# Allegro board BRD-05058-03_A1.brd (continued)
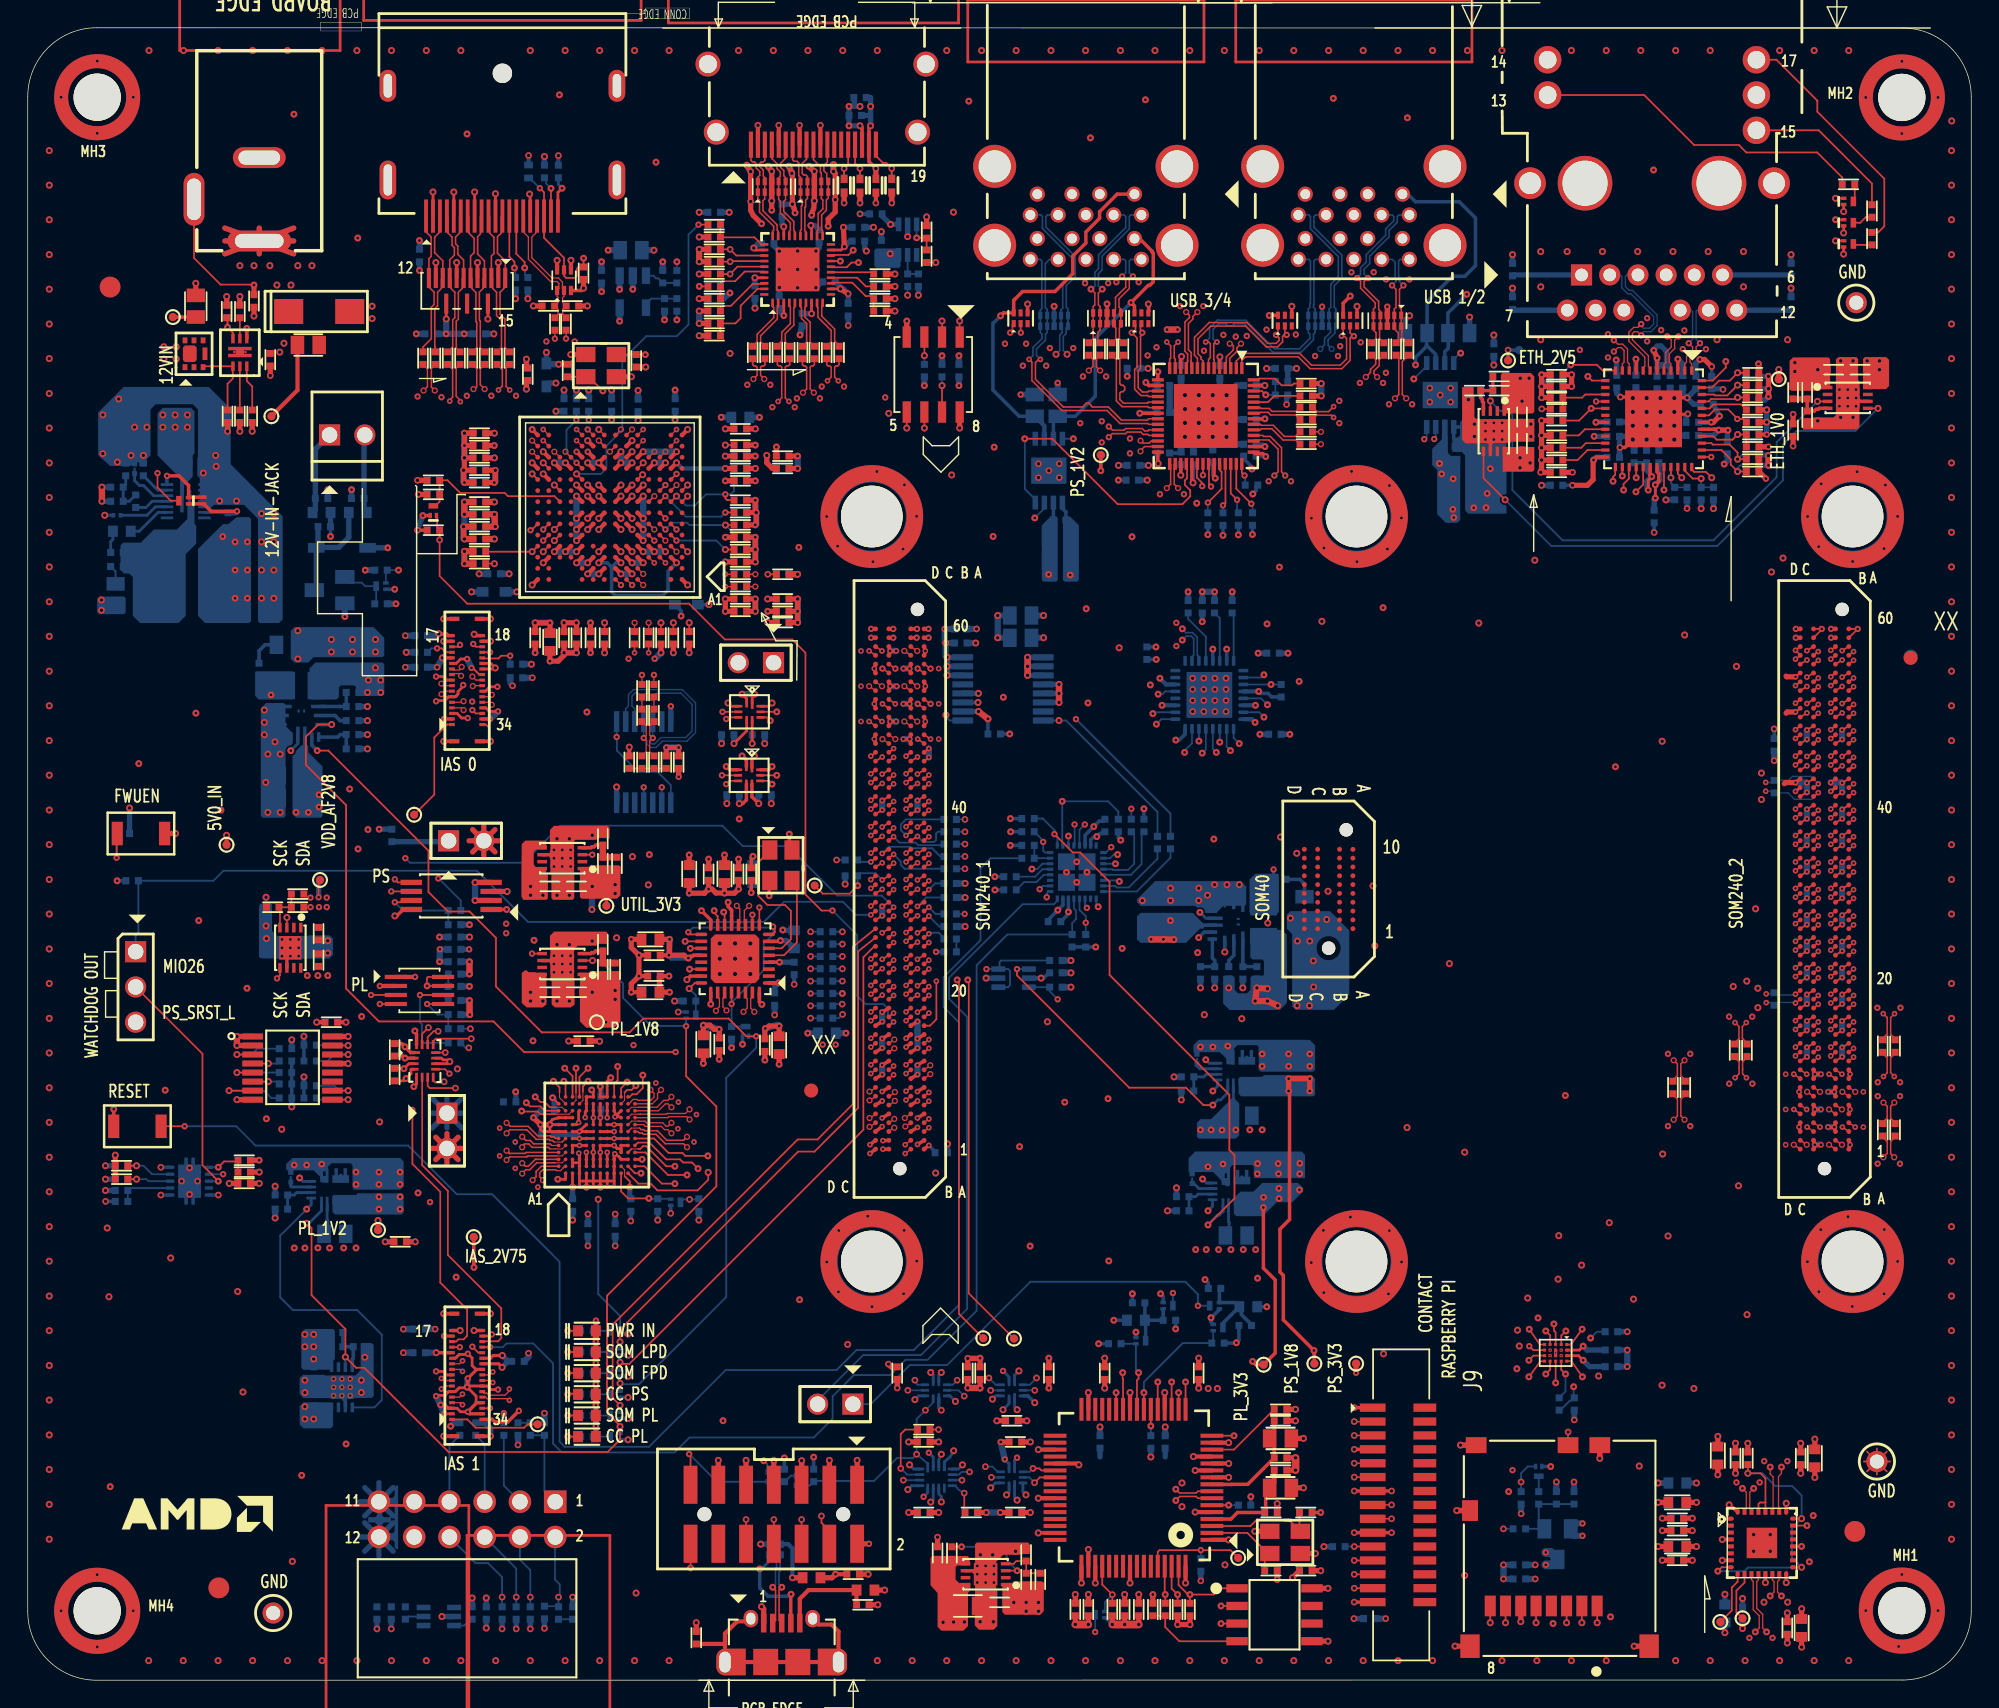
[diagram p0: board, top side]
## Routing (per net, layer and track width the routed paths; a pad name or vN(x,y) marks a point on that pad's centre or on a via; arc(x,y) is an arc through that point) (continued)
VCC_BATT: length 1.2
  TOP w0.254: JA1.A1 v3(64.91,38.52)
  BOTTOM w0.254: v3(64.91,38.52) 65.36,38.07 R44.1
VCCOEN_PL_M2C: length 158.2
  TOP w0.127: U9.5 v1(36.32,52.33)
  TOP w0.132: JA1.A20 v3(64.09,50.01) ; U73.5 18.17,50.75 v1(17.95,50.54)
  L03_SIG w0.102: v1(36.32,52.33) 35.74,51.74 35.74,43.88 37.18,42.43 37.18,41.54 38.28,40.45 38.28,37.65 39.67,36.26 39.67,35.29 37.22,32.84 30.57,32.84 v1(28.98,34.43) ; v3(64.09,50.01) 63.53,50.57 60.52,50.57 59.61,49.65 59.61,46.03 58.68,45.1 52.9,45.1 52.12,44.32 49.42,44.32 48.81,44.93 47.69,44.93 46.89,45.73 v1(43.64,45.73)
  L12_SIG w0.102: v1(43.64,45.73) 43.64,46.42 41.71,48.35 40.61,48.35 39.12,49.84 38.02,49.84 36.32,51.54 v1(36.32,52.33) ; v1(17.95,50.54) 15.16,50.54 12.75,48.13 12.75,41.42 13.18,40.99 13.18,35.81 13.63,35.36 14.19,35.36 15.16,34.39 19.38,34.39 19.84,33.92 v5(20.09,33.92) 23.95,33.92 24.38,34.36 27.57,34.36 27.65,34.43 v1(28.98,34.43) ; v3(64.09,50.01) 64.54,49.56 64.54,49.16 64.76,48.94 68.33,48.94 83.48,33.8 85.01,33.8 v5(85.02,33.81)
  BOTTOM w0.132: v5(20.09,33.92) 18.18,32.02 18.18,27.57 19.1,26.66 23.73,26.66 25.5,24.88 25.5,20.18 24.97,19.65 U8.5
  BOTTOM w0.203: v5(85.02,33.81) 85.35,34.13 U4.9 ; v5(20.09,33.92) 20.42,34.25 U5.9
VCCOEN_PS_M2C: length 107.7
  TOP w0.132: JA1.A19 v3(64.91,49.95) ; v1(46.67,45.24) 35.75,45.24 33.55,47.44 25.29,47.44 22.93,49.81 22.93,63.01 20.04,65.91 20.04,67.94 20.92,68.82 v6(21.89,68.82)
  L03_SIG w0.102: v1(46.67,45.24) 47.89,44.02 53.17,44.02 54.02,44.87 58.78,44.87 59.88,45.97 59.88,48.42 60.35,48.89 64.26,48.89 64.46,49.09 64.46,49.5 v3(64.91,49.95)
  L12_SIG w0.102: v3(64.91,49.95) 69.27,49.95 70.94,48.28 82.07,48.28 v6(86.23,52.44) 86.93,51.75 86.93,45.26 85.37,43.7 v5(85.37,42.43)
  BOTTOM w0.203: U3.9 85.7,42.76 v5(85.37,42.43)
  BOTTOM w0.254: U1.12 86.23,53.22 86.23,52.45 v6(86.23,52.44) ; U2.12 v6(21.89,68.82)
VDD_AF2V8: length 24.7
  TOP w0.127: v1(20.95,56.38) 20.95,57.53 TP56.1
  L05_SIG w0.381: J18.1 31.38,60.45 ; J18.1 30.31,59.38 ; J18.1 29.51,59.65 ; J18.1 29.51,61.26 ; J18.1 31.12,61.26 ; J18.1 31.12,59.65 ; J18.1 29.25,60.45
  BOTTOM w0.381: J19.1 31.26,40.84 ; J19.1 31.26,41.9 ; J19.1 29.13,39.77 ; J19.1 31.26,39.77 ; J19.1 30.2,41.9 ; J19.1 29.13,40.84 ; J19.1 30.2,39.77 ; J19.1 29.13,41.9 ; C384.1 30.25,60.38 J18.1 ; v1(20.95,56.38) 20.95,57.53 TP56.1
  vias: v1(20.37,56.36) v1(20.37,55.67) v1(20.98,55.67) v1(21.54,56.36) v1(21.54,55.67) v1(34.46,54.48) v1(34.46,53.79)
VDD_AF2V8_J7: length 9.3
  TOP w0.127: J7.34 33,68.82 33.14,68.68
  TOP w0.381: J18.2 32.85,61.52 ; J18.2 33.66,59.65 ; J18.2 32.05,61.26 ; J18.2 32.85,59.38 ; J18.2 33.66,61.26 ; J18.2 33.92,60.45 ; J18.2 31.79,60.45 ; J18.2 32.05,59.65
VDD_AF2V8_J8: length 11.9
  TOP w0.127: v1(35.38,19.4) 35.38,19.38
  TOP w0.254: J8.34 33.46,18.79 33.64,18.61 34.58,18.61 v1(35.38,19.4)
  TOP w0.381: J19.2 31,37.49 ; J19.2 29.13,38.3 ; J19.2 30.2,39.36 ; J19.2 29.39,39.1 ; J19.2 30.2,37.23 ; J19.2 29.39,37.49 ; J19.2 31,39.1 ; J19.2 31.26,38.3
AF_2V8_FB: length 3.3
  TOP w0.127: R292.2 C385.2 R290.1 18.17,55.6 U73.4
AP1302_GPIO2_NC: length 2.6
  TOP w0.127: U34.A10 37.24,41.01 36.93,41.32 36.18,41.32 v5(35.92,41.59)
AP1302_GPIO3_NC: length 5.4
  TOP w0.127: v5(48.28,36.84) 47.85,37.28 47.21,37.28 46.99,37.51 45.99,37.51 44.79,38.72 43.95,38.72 U34.M5
AP1302_GPIO4_NC: length 5.8
  TOP w0.127: v5(48.99,37.76) 47.37,37.76 47.16,37.97 46.16,37.97 45.12,39.01 U34.M6
AP1302_GPIO5_NC: length 4.4
  TOP w0.127: v5(47.49,36.39) 46.12,36.39 44.49,38.01 U34.M4
AP1302_GPIO6_NC: length 4.2
  TOP w0.076: 43.49,38.26 43.98,38.26
  TOP w0.127: 43.98,38.26 44.12,38.26 44.31,38.46 44.55,38.46 45.99,37.01 v5(46.62,37.01) ; U34.L4 43.49,38.26
AP1302_GPIO7_NC: length 1.2
  TOP w0.127: U34.B12 38.74,43.01 v5(38.62,43.14)
AP1302_GPIO8_NC: length 2.3
  TOP w0.127: v5(44.31,43.57) 44.31,42.64 43.86,42.2 43.56,42.2 43.37,42.01 U34.L12
AP1302_GPIO9_NC: length 1.2
  TOP w0.127: v5(43.18,43.07) 42.74,42.64 U34.K12
AP1302_GPIO10_NC: length 2.3
  TOP w0.127: v5(42.49,44.2) 42.49,43.2 42.24,42.95 U34.J12
AP1302_STANDBY_LS: length 5.1
  TOP w0.127: U34.K1 42.74,35.2 43.24,34.7 v5(44.74,34.7)
  BOTTOM w0.127: Q1.2 46.29,34.67 R91.2 44.77,34.67 v5(44.74,34.7)
CC_PL_PGOOD: length 191.7
  TOP w0.132: U9.3 v6(40.69,51.83) ; U73.3 v6(18.67,54.93) ; v1(47.43,47.1) 47.43,43.5 49.6,41.32 49.6,35.57 41.73,27.69 41.73,19.27 42.67,18.33 v6(42.67,18.27) 42.67,17.33 41.78,16.44 30.31,16.44 24.25,22.5 23.66,22.5 v6(22.88,23.28) 22.88,25.29 20.44,27.73 20.44,32.55 v5(20.09,32.91) ; v1(73.96,60.93) 75.28,59.61 75.82,59.61 77.93,57.5 77.93,50.79 86.56,42.16 86.56,38.18 86.93,37.81 86.93,34.7 v5(85.02,32.79)
  L03_SIG w0.102: v1(47.43,47.1) 48.07,46.45 50.15,46.45 50.58,46.88 52.61,46.88 53.01,46.48 54.89,46.48 55.5,47.09 57.25,47.09 58.07,47.91 58.07,54.1 60.53,56.56 65.87,56.56 66.27,56.96 67.85,56.96 69.15,58.26 70,58.26 71.93,60.19 71.93,60.62 72.22,60.9 73.94,60.9 v1(73.96,60.93)
  L12_SIG w0.102: v6(18.67,54.93) 18.66,54.94 16.99,54.94 12.34,50.29 12.34,36.65 11.82,36.12 11.82,35.52 13.43,33.9 18.46,33.9 19.46,32.91 v5(20.09,32.91)
  BOTTOM w0.132: Q16.1 v1(47.43,47.1) 47.41,47.11 44.89,47.11 42.89,49.12 42.89,50.17 41.23,51.83 v6(40.69,51.83) ; U19.25 74.17,60.12 74.17,60.73 73.96,60.93 v1(73.96,60.93) 73.96,60.93 73.96,61.21 73.12,62.05 R7.2 ; U8.3 v6(22.88,23.28) ; Q10.1 v6(42.67,18.27)
  BOTTOM w0.203: U4.8 86.1,33.75 85.84,33.49 85.72,33.49 v5(85.02,32.79) ; v5(20.09,32.91) 20.26,32.91 21.17,33.82 U5.8
CC_PL_PGOOD_LS_B: length 3.1
  TOP w0.127: v6(47.65,49.8) 48.05,50.21 U17.24
  BOTTOM w0.127: Q16.3 R237.2 48.13,49.33 v6(47.65,49.8)
CC_PS_PGOOD: length 248.9
  TOP w0.132: v1(52.47,46.37) 51.77,46.37 50.49,47.65 44.34,47.65 43.35,46.66 37.03,46.66 33.73,49.95 33.73,53.46 31.83,55.36 30.27,55.36 28.87,56.76 28.87,59.73 21.66,66.94 v5(20.85,66.94) ; U10.3 v6(105.36,92.13) ; v1(71.26,51.21) 71.26,50.76 79.35,42.67 83.44,42.67 84.69,41.42 v5(85.37,41.42) ; U12.3 v6(128.93,92.09)
  L03_SIG w0.102: v1(73.15,60.37) 73.15,58.31 71.67,56.84 71.67,51.62 v1(71.26,51.21)
  L12_SIG w0.102: v1(71.26,51.21) 71.13,51.21 70.51,51.83 66.23,51.83 65.06,50.66 60.79,50.66 59.79,49.67 59.79,48.22 58.7,47.13 55.5,47.13 54.74,46.37 v1(52.47,46.37) ; v1(73.15,60.37) 73.15,61.26 73.99,62.1 77.21,62.1 77.56,61.75 91.63,61.75 94.02,64.14 108.25,64.14 118.54,74.43 118.54,80.41 123.77,85.64 123.77,89.76 123.31,90.22 122.88,90.22 122.63,90.47 122.63,91.23 123.3,91.9 128.73,91.9 v6(128.93,92.09)
  BOTTOM w0.132: 42.67,21.33 42.62,21.38 v6(42.67,21.38) ; 42.67,21.33 Q8.1 ; 42.67,21.33 42.68,21.32 44.04,21.32 50.32,27.6 50.32,43.38 52.47,45.54 v1(52.47,46.37) 51.94,46.37 Q11.1 ; R28.2 72.51,61.1 73.15,60.46 v1(73.15,60.37) 73.15,60.37 73.15,59.74 73.29,59.6 U19.24 ; U70.4 v1(71.26,51.21) ; v6(128.93,92.09) 125.99,89.15 125.99,86.65 121.43,82.09 110.56,82.09 106.95,85.7 106.95,91.14 106.68,91.41 106.07,91.41 105.36,92.12 v6(105.36,92.13)
  BOTTOM w0.203: v5(85.37,41.42) 85.75,41.79 85.94,41.79 86.45,42.3 U3.8
  BOTTOM w0.254: v5(20.85,66.94) 20.46,67.34 U2.14
CC_PS_PGOOD_LS_B: length 18.5
  TOP w0.127: v1(53.69,54.27) 53.82,54.14 53.82,53.87 53.66,53.71 U17.8 ; U17.17 47.74,53.71 v1(47.58,53.86) ; U17.28 v1(50.7,48.7)
  BOTTOM w0.127: v1(47.58,53.86) 47.92,54.2 53.62,54.2 v1(53.69,54.27) 53.69,53.71 53.02,53.04 53.02,51.13 50.7,48.81 v1(50.7,48.7) R232.2 Q11.3
CC_PS_POR_B: length 115.1
  TOP w0.127: SW2.2 v1(11.3,39.89)
  BOTTOM w0.127: R299.1 69.35,59.19 68.63,58.47 68.63,53.28 65.98,50.64 65.98,48.47 67.09,47.37 67.09,27.03 63.83,23.78 59.7,23.78 58.26,22.33 50.27,22.33 44.75,16.81 38.68,16.81 38.31,17.18 38.31,30.13 33.45,35 30.91,35 27.4,38.5 16.4,38.5 15.01,39.89 v1(11.3,39.89)
CC_PS_POR_B_R: length 2.1
  BOTTOM w0.127: U19.23 72.52,59.2 72.51,59.19 R299.2 72.51,59.19 72.51,60.11 C390.1
DP_3V3: length 5.5
  TOP w0.203: J6.20 38.19,107.15 v5(38.49,107.44)
  TOP w0.305: U62.4 v6(39.13,102.25)
  BOTTOM w0.203: C365.1 38.22,107.71 v5(38.49,107.44)
  BOTTOM w0.432: C266.1 v5(41.81,102.98) ; U33.1 v5(42.63,100.16)
DP_AUX_C_N: length 0.9
  TOP w0.094: R85.1 C112.2
DP_AUX_C_P: length 0.9
  TOP w0.094: R83.1 C111.2
DP_AUX_C_R_N: length 10
  TOP w0.094: R85.2 v1(44.25,72.39) ; v1(42.73,78.87) U27.A7
  L03_SIG w0.091: v1(42.73,78.87) 43.01,78.6 43.01,77.62 42.44,77.06 42.44,73.42 42.95,72.91 44.46,72.91 44.55,72.82 44.55,72.7 v1(44.25,72.39)
DP_AUX_C_R_P: length 10
  TOP w0.094: R83.2 v1(45.11,72.39) ; v1(43.53,78.87) U27.A6
  L03_SIG w0.091: v1(43.53,78.87) 43.26,78.6 43.26,77.52 42.7,76.95 42.7,73.52 43.06,73.17 44.56,73.17 44.8,72.93 44.8,72.7 v1(45.11,72.39)
DP_AUX_N: length 18.2
  TOP w0.094: C112.1 44.55,68.73 44.55,68.03 v1(44.37,67.85) 44.55,67.67 44.55,66.87 R173.2
  BOTTOM w0.094: U29.9 43.07,69.96 43.27,70.16 43.27,70.98 43.63,71.34 47.14,71.34 48.11,70.38 48.11,68.24 47.5,67.63 45.72,67.63 45.26,67.17 44.84,67.17 44.6,67.41 44.6,67.62 v1(44.37,67.85) U29.11
DP_AUX_P: length 18.2
  TOP w0.094: R172.2 44.8,66.87 44.8,67.63 v1(45.02,67.85) 44.8,68.07 44.8,68.73 C111.1
  BOTTOM w0.094: U29.10 43.72,69.96 43.52,70.16 43.52,70.87 43.74,71.08 43.97,71.08 44.07,70.99 44.07,70.64 44.16,70.55 44.35,70.55 44.44,70.64 44.44,70.99 44.54,71.08 44.73,71.08 44.82,70.99 44.82,70.64 44.91,70.55 45.1,70.55 45.2,70.64 45.2,70.99 45.29,71.08 47.04,71.08 47.85,70.27 47.85,68.34 47.39,67.88 45.62,67.88 45.16,67.43 44.95,67.43 44.85,67.52 44.85,67.76 44.95,67.85 v1(45.02,67.85) U29.12
DP_PWR_EN: length 2.6
  BOTTOM w0.127: U33.4 44.53,99.1 44.92,99.49 R196.2 R197.2
DP_PWR_FAULT_B: length 2.4
  BOTTOM w0.127: U33.3 45.07,101.15 45.27,100.95 45.42,100.95 R195.2 R198.2
DP_TX1_AUX_C_N: length 9.1
  TOP w0.094: C267.2 38.54,98.35 38.54,98.72 R205.2 38.52,99.23 38.52,99.57 38.63,99.67 U62.2 38.51,100.2 38.51,100.69 38.23,100.98 37.77,100.98 36.32,102.43 36.32,103.93 36.6,104.22 36.6,105.35 J6.17
DP_TX1_AUX_C_P: length 9
  TOP w0.094: C268.2 38.2,98.35 38.2,98.72 R206.1 38.21,99.22 38.21,99.57 38.13,99.64 U62.1 38.26,100.21 38.26,100.59 38.12,100.73 37.66,100.73 36.06,102.33 36.06,103.93 35.78,104.21 35.78,105.35 J6.15
DP_TX1_AUX_N: length 12.5
  TOP w0.094: C267.1 v1(38.78,96.61) ; U27.P8 v6(41.13,90.07)
  L12_SIG w0.091: v6(41.13,90.07) 40.99,90.07 40.89,90.16 40.89,90.36 41.04,90.51 41.04,91.53 41.48,91.96 42.14,91.96 42.8,92.62 42.8,93.84 41.76,94.88 39.11,94.88 38.48,95.52 38.48,96.31 v1(38.78,96.61)
DP_TX1_AUX_P: length 12.6
  TOP w0.094: C268.1 v1(37.97,96.61) ; U27.P9 v1(40.33,90.07)
  L12_SIG w0.091: v1(40.33,90.07) 40.52,90.07 40.64,90.19 40.64,90.47 40.79,90.62 40.79,91.64 41.37,92.22 42.03,92.22 42.54,92.73 42.54,93.74 41.65,94.63 39.01,94.63 38.22,95.42 38.22,96.36 v1(37.97,96.61)
DP_TX1_HPD_IN: length 36.8
  TOP w0.127: v5(40.04,102.4) R199.1 39.68,101.78 39.56,101.65 39.56,101.15 39.39,100.99 38.78,100.99 38.63,101.14 U62.5 38.63,102.43 37.19,103.87 J6.18 37.19,107.14 v1(36.89,107.44) ; U27.D1 v6(47.53,81.27)
  L10_SIG w0.102: v6(47.53,81.27) 48.85,82.58 48.85,93.17 40.04,101.98 v5(40.04,102.4)
  BOTTOM w0.127: v1(36.89,107.44) 36.15,108.18 C366.1
DP_TX1_LN0_C_N: length 10.4
  TOP w0.114: C118.2 29.36,95.99 29.32,96.03 29.32,98.77 29.52,98.97 29.52,99.95 29.8,100.23 29.8,100.89 U61.10 29.9,102.22 29.31,102.81 29.31,103.92 29.61,104.22 29.61,105.36 J6.3
DP_TX1_LN0_C_P: length 10.5
  TOP w0.114: J6.1 28.77,105.36 28.77,104.22 29.06,103.93 29.06,102.53 28.9,102.37 U61.12 28.98,100.9 28.98,100.24 29.27,99.96 29.27,99.07 29.07,98.87 29.07,96.61 28.47,96.01 C117.2
DP_TX1_LN0_N: length 12.7
  TOP w0.094: U27.N14 v4(36.33,89.27)
  TOP w0.114: C118.1 29.07,94.47 29.07,93.12 v4(29.32,92.87)
  L03_SIG w0.112: v4(36.33,89.27) 36.33,89.23 36.1,89 35.5,89 35.15,89.35 35.15,89.51 35.25,89.62 35.25,89.77 35.12,89.91 34.91,89.91 34.83,89.83 34.67,89.83 33.83,90.67 30.48,90.67 29.04,92.1 29.04,92.6 v4(29.32,92.87)
DP_TX1_LN0_P: length 12.7
  TOP w0.094: U27.M14 v4(36.33,88.47)
  TOP w0.114: C117.1 28.79,94.44 28.79,93.15 v4(28.51,92.87)
  L03_SIG w0.112: v4(28.51,92.87) 28.79,92.6 28.79,92 30.37,90.41 33.73,90.41 35.4,88.74 36.06,88.74 v4(36.33,88.47)
DP_TX1_LN1_C_N: length 10.5
  TOP w0.114: J6.6 31.11,105.35 31.11,104.21 30.82,103.93 30.82,103.44 30.98,103.27 30.98,102.68 31.4,102.27 U61.7 31.31,100.89 31.31,100.24 31.02,99.95 31.02,98.01 30.87,97.86 30.87,95.93 C120.2
DP_TX1_LN1_C_P: length 10.5
  TOP w0.114: J6.4 30.27,105.36 30.27,104.22 30.57,103.92 30.57,103.33 30.73,103.17 30.73,102.63 30.4,102.29 U61.9 30.49,100.89 30.49,100.23 30.77,99.95 30.77,98.12 30.61,97.97 30.61,96.02 C119.2
DP_TX1_LN1_N: length 13.6
  TOP w0.094: U27.N13 v3(37.13,89.27)
  TOP w0.114: C120.1 30.86,94.48 30.86,92.47 31.16,92.17 v3(31.16,92.07)
  L12_SIG w0.112: v3(31.16,92.07) 30.89,91.8 30.89,91.46 31.4,90.95 37.57,90.95 38.07,90.44 38.07,89.84 37.77,89.54 37.41,89.54 v3(37.13,89.27)
DP_TX1_LN1_P: length 13.6
  TOP w0.094: U27.P13 v3(37.13,90.07)
  TOP w0.114: v3(30.4,92.11) 30.4,92.19 30.61,92.4 30.61,94.4 C119.1
  L12_SIG w0.112: v3(37.13,90.07) 37.41,89.8 37.67,89.8 37.82,89.95 37.82,90.34 37.46,90.69 35.9,90.69 35.79,90.58 35.79,90.45 35.67,90.34 35.45,90.34 35.34,90.45 35.34,90.58 35.23,90.69 31.29,90.69 30.63,91.35 30.63,91.87 v3(30.4,92.11)
DP_TX1_LN2_C_N: length 10.4
  TOP w0.114: C122.2 32.6,95.97 32.6,97.88 32.53,97.95 32.53,99.96 32.81,100.24 32.81,100.89 U61.4 32.9,102.22 32.41,102.71 32.41,103.95 32.61,104.16 32.61,105.36 J6.9
DP_TX1_LN2_C_P: length 10.4
  TOP w0.114: C121.2 32.35,95.98 32.35,97.78 32.28,97.84 32.28,99.94 31.98,100.24 31.98,100.9 U61.6 31.9,102.55 32.15,102.8 32.15,103.84 31.77,104.21 31.77,105.36 J6.7
DP_TX1_LN2_N: length 11.9
  TOP w0.094: U27.M11 v4(38.73,88.47)
  TOP w0.114: C122.1 32.6,94.44 32.6,93.3 v4(32.92,92.98)
  L03_SIG w0.112: v4(32.92,92.98) 32.64,92.7 32.64,92.19 33.02,91.81 36.6,91.81 38.46,89.95 38.46,88.74 v4(38.73,88.47)
DP_TX1_LN2_P: length 11.9
  TOP w0.094: U27.M12 v4(37.93,88.47)
  TOP w0.114: v4(32.11,92.98) 32.17,92.98 32.35,93.15 32.35,94.44 C121.1
  L03_SIG w0.112: v4(32.11,92.98) 32.38,92.7 32.38,92.08 32.91,91.56 36.49,91.56 38.21,89.84 38.21,88.74 v4(37.93,88.47)
DP_TX1_LN3_C_N: length 10.6
  TOP w0.114: C124.2 34.38,95.98 34.38,98.02 34.02,98.38 34.02,99.95 34.31,100.23 34.31,100.89 U61.1 34.4,102.21 33.83,102.77 33.83,103.94 34.11,104.21 34.11,105.36 J6.12
DP_TX1_LN3_C_P: length 10.5
  TOP w0.114: J6.10 33.27,105.36 33.27,104.22 33.58,103.9 33.58,102.74 33.4,102.56 U61.3 33.49,100.89 33.49,100.23 33.77,99.95 33.77,98.27 34.12,97.92 34.12,95.98 C123.2
DP_TX1_LN3_N: length 11.2
  TOP w0.094: U27.P10 v3(39.53,90.07)
  TOP w0.114: v3(34.72,92.91) 34.46,93.17 34.46,94.52 C124.1
  L12_SIG w0.112: v3(39.53,90.07) 39.26,89.8 39.1,89.8 38.91,89.99 38.91,91.56 38.38,92.09 37.39,92.09 37.28,92.2 37.28,92.25 37.13,92.39 36.95,92.39 36.84,92.28 36.84,92.2 36.72,92.09 35.86,92.09 35.58,91.81 34.75,91.81 34.44,92.11 34.44,92.67 34.68,92.91 v3(34.72,92.91)
DP_TX1_LN3_P: length 11.3
  TOP w0.094: U27.N10 v3(39.53,89.27)
  TOP w0.114: C123.1 34.19,94.38 34.19,93.19 v3(33.91,92.91)
  L12_SIG w0.112: v3(33.91,92.91) 34.19,92.63 34.19,92.01 34.64,91.56 35.69,91.56 35.97,91.84 38.27,91.84 38.66,91.45 38.66,89.88 39,89.54 39.26,89.54 v3(39.53,89.27)
EEPROM_WC_B: length 129.4
  L12_SIG w0.102: v1(29.57,57.74) 28.77,58.54 18.37,58.54 11.68,51.85 11.68,41.47 10.61,40.41 10.61,35.05 12.93,32.73 12.93,19.85 23.93,8.85 64.08,8.85 67.27,5.66 69.27,5.66 71.46,3.47 v1(76.89,3.47)
  BOTTOM w0.127: Q19.3 v1(76.89,3.47) ; R255.2 31.19,56.15 29.63,57.71 29.6,57.71 v1(29.57,57.74)
EEPROM_WC_B_R: length 6.4
  TOP w0.127: U15.7 26.97,56.15 26.84,56.02 v1(26.44,56.02)
  BOTTOM w0.127: R256.1 R255.1 27.04,55.43 v1(26.44,56.02)
ETH_1V0: length 25.4
  TOP w0.203: v5(117.24,86.09) 117.25,86.09 v5(117.25,85.13)
  TOP w0.254: v5(117.24,86.09) 117.49,86.34 117.49,86.89 117.37,87.02 U36.31 ; v5(112.8,87.87) 113.01,88.09 U36.24 ; v5(117.37,95.21) 117.37,95 117.37,94.99 U36.6 ; U36.42 v5(121.27,90.59)
  TOP w0.381: TP17.1 v6(126.14,94.39) ; v5(121.87,91.03) 121.43,90.59 v5(121.27,90.59) ; v5(117.37,95.21) v5(117.13,95.77) ; C164.1 v2(127.17,88.88) ; v5(112.8,87.87) 112.76,87.84 112.76,86.46 112.35,86.05 v2(111.28,86.05)
  BOTTOM w0.203: v5(117.25,85.13) 117.24,85.13 v5(117.24,86.09)
  BOTTOM w0.254: C154.1 v2(111.28,86.05) ; TP17.1 v6(126.14,94.39)
  BOTTOM w0.381: C162.1 v5(121.27,90.59) ; 117.37,94.53 v5(117.37,95.21) 117.36,95.22 v5(117.13,95.77) 117.38,96.08 117.67,96.08 118.05,95.7 118.05,94.74 ; 117.37,94.53 117.49,94.65 117.61,94.65 117.7,94.74 118.05,94.74 ; 117.37,94.53 C167.1 ; C166.1 112.99,88.06 v5(112.8,87.87) ; v5(117.24,86.09) 117.58,86.42 117.58,86.9 117.5,86.97 C152.1 ; v5(112.84,89.58) 112.84,89.57 C153.1 ; 118.05,94.74 118.32,94.47 C165.1 ; C163.1 117.16,85.04 v5(117.25,85.13) ; C155.1 v5(121.87,91.03)
  vias: v6(127.3,94.88) v6(127.3,94.25) v6(128.95,94.38) v6(128.95,93.11)
ETH_1V0_FB: length 3.4
  TOP w0.254: C14.2 R17.1 128.69,91.4 128.82,91.52 128.98,91.52 129.05,91.59 U12.4
  TOP w0.381: R6.2 C14.2
ETH_2V5: length 10.5
  TOP w0.254: TP13.1 v2(106.64,95.79) ; U36.9 115.87,95.12 v5(115.85,95.14) ; U36.3 v5(118.87,95.14)
  TOP w0.381: v5(120.45,95.11) 120.79,95.11 v2(121.31,94.59)
  BOTTOM w0.254: TP49.1 106.64,95.79 v2(106.64,95.79) ; C150.1 v2(121.31,94.59)
  BOTTOM w0.381: v5(118.87,95.14) 119.22,94.78 C151.1 ; v5(120.45,95.11) 120.16,94.82 C148.1 ; v5(114.43,95.07) 114.46,95.04 C160.1 ; v5(115.85,95.14) C161.1 ; C149.1 v6(105.61,94.71)
  vias: v6(106.37,92.11) v6(107.52,93.76) v6(107.64,92.11) v6(108.15,93.76)
ETH_2V5_FB: length 3.4
  TOP w0.254: R10.2 C13.2 R15.1 104.66,92.36 104.79,92.23 104.79,92.07 104.86,92 U10.4
ETH_REF_CLK: length 102.4
  TOP w0.127: U17.15 49.7,55.01 49.45,55.26 v5(49.45,55.42) ; C172.2 v2(109.06,91.55)
  L12_SIG w0.102: v2(109.06,91.55) 104.51,91.55 101.62,88.66 99.59,88.66 94.44,93.81 82.72,93.81 81.53,92.62 76,92.62 58.7,75.33 43.36,75.33 42.32,74.29 42.32,71.64 45.42,68.54 46.41,68.54 47.78,67.17 47.78,60.21 48.28,59.7 48.28,56.43 49.29,55.42 v5(49.45,55.42)
ETH_REG_EN: length 125.7
  TOP w0.127: U10.5 104.86,86.57 v6(106.42,85.01) ; U12.5 v6(133.29,91.59)
  L12_SIG w0.102: v1(74.19,49.04) 81.63,49.04 90.7,58.11 90.7,59.74 91.16,60.19 106.55,60.19 124.46,78.1 124.46,89.45 125.11,90.1 131.81,90.1 133.29,91.58 v6(133.29,91.59)
  BOTTOM w0.127: U70.6 R244.2 73.62,49.91 73.62,49.61 74.19,49.04 v1(74.19,49.04) ; v6(133.29,91.59) 131.66,89.96 127.42,89.96 126.44,88.98 126.44,86.41 121.71,81.68 109.75,81.68 v6(106.42,85.01)
ETH_RESET_B: length 74.6
  TOP w0.127: U36.43 121.11,91.09 121.54,91.51 122.5,91.51 123.15,90.86 v1(123.15,90.83) 123.57,90.83 R125.2
  L12_SIG w0.102: v1(76.15,61.62) 76.15,60.75 76.58,60.32 77.62,60.32 78.46,61.17 91.81,61.17 93.78,63.14 108.47,63.14 124.15,78.82 124.15,89.83 v1(123.15,90.83)
  BOTTOM w0.127: U19.29 75.77,60.12 75.77,61.24 76.15,61.62 v1(76.15,61.62)
FB_UTIL_3V3: length 3.4
  TOP w0.254: U7.4 40.56,59.95 40.63,60.02 40.79,60.02 40.92,60.14 R38.1
  TOP w0.457: R38.1 C41.2 R39.2
FTDI_3V3_FB: length 3.4
  TOP w0.127: R36.2 C44.2 R41.1 71.22,8.58 71.02,8.38 U11.4
FTDI_3V3_PG: length 6.4
  TOP w0.127: R40.2 v5(67.26,9.61) ; U11.3 70.45,7.89 v5(71.27,7.89)
  BOTTOM w0.127: v5(71.27,7.89) 70.51,8.65 70.51,8.98 69.88,9.61 v5(67.26,9.61)
FTDI_EEPROM_WC: length 4.4
  TOP w0.127: U24.52 77.4,6.89 v2(78.13,6.16) R262.1
  BOTTOM w0.127: Q19.1 77.59,5.62 v2(78.13,6.16)
FTDI_LS_OE_B: length 32.6
  TOP w0.127: U24.22 v5(80.9,18.31)
  L12_SIG w0.102: v5(80.9,18.31) 80.55,18.66 75.18,18.66 74.62,18.1 68.01,18.1 67.3,18.81 60.79,18.81 59.52,17.53 54.75,17.53 v5(53.02,15.8)
  BOTTOM w0.127: R235.2 v5(80.9,18.31) ; Q13.1 53.27,15.55 v5(53.02,15.8)
FTDI_PS_POR_B: length 9
  TOP w0.127: U24.23 v5(80.4,20.71)
  BOTTOM w0.127: Q23.1 85.39,24.38 R293.2 83.21,24.28 80.4,21.47 v5(80.4,20.71)
FTDI_PS_SRST_B: length 5.9
  TOP w0.127: v5(80.02,22.15) 80.02,21.71 79.9,21.59 U24.24
  BOTTOM w0.127: v5(80.02,22.15) 79.83,22.34 Q26.1 R295.2
FTDI_PWREN_B: length 7.7
  TOP w0.127: TP46.1 86.63,9.37 v1(84.5,9.37) 81.53,9.37 81.4,9.24 U24.60
  BOTTOM w0.127: v1(84.5,9.37) R268.2
FTDI_TCK: length 23.1
  TOP w0.127: U24.16 v5(86.89,17.61)
  L12_SIG w0.102: v2(67.84,15) 68.78,15 68.81,14.96 69.16,14.96 69.19,15 69.23,15 69.25,15.02 69.59,15.02 69.62,15 71.32,15 72.52,16.19 79.07,16.19 80.49,17.61 v5(86.89,17.61)
  BOTTOM w0.127: U22.6 67.08,14.81 67.28,15 v2(67.84,15)
FTDI_TDI: length 26
  TOP w0.127: U24.17 v5(83.4,21.48)
  L03_SIG w0.102: v2(67.3,14.41) 66.86,13.97 66.86,13.32 67.62,12.55 76.32,12.55 81.18,17.41 81.97,17.41 83.4,18.85 v5(83.4,21.48)
  BOTTOM w0.127: U22.7 v2(67.3,14.41)
FTDI_TDO: length 19.2
  TOP w0.127: U24.18 v5(82.9,20.71)
  L12_SIG w0.102: v5(82.9,20.71) 81.69,19.5 71.98,19.5 71.4,20.08 70.18,20.08 69.93,19.82 68.1,19.82 v2(67.46,20.46)
  BOTTOM w0.127: v2(67.46,20.46) 67.05,20.88 U25.9
FTDI_TMS: length 19.5
  TOP w0.127: U24.19 v5(82.4,21.48)
  L12_SIG w0.102: v2(66.95,21.6) 68.59,21.6 68.9,21.3 71.32,21.3 72.18,20.44 75.59,20.44 75.95,20.08 80.61,20.08 82.01,21.48 v5(82.4,21.48)
  BOTTOM w0.127: v2(66.95,21.6) 66.62,21.28 U25.8
FTDI_UARTB_RXD: length 8.5
  TOP w0.127: U24.27 v5(78.4,20.71)
  L03_SIG w0.102: v5(78.4,20.71) 77.76,20.07 73.35,20.07 v2(72.54,20.88)
  BOTTOM w0.127: U64.9 v2(72.54,20.88)
FTDI_UARTB_TXD: length 10.2
  TOP w0.127: v5(78.87,22.15) 78.87,21.71 78.9,21.68 U24.26
  L03_SIG w0.102: v2(72.67,21.77) 75.44,21.77 75.83,22.15 v5(78.87,22.15)
  BOTTOM w0.127: v2(72.67,21.77) 72.18,21.28 U64.8
FTDI_UARTC_RXD: length 2.6
  TOP w0.127: v2(72.53,14.22) 72.91,14.61 U24.39
  BOTTOM w0.127: v2(72.53,14.22) 72.14,14.61 U65.9
FTDI_UARTC_TXD: length 2.5
  TOP w0.127: U24.38 73.02,15.11 72.88,15.25 v2(72.41,15.25)
  BOTTOM w0.127: v2(72.41,15.25) 72.17,15.01 U65.8
FWUEN_C2M_B: length 63.6
  TOP w0.127: JA1.C28 v3(62.37,55.66) ; SW1.2 6.4,60.93 v1(6.4,59.23)
  L12_SIG w0.102: v1(27.2,59.2) v1(6.4,59.23)
  BOTTOM w0.127: v1(6.4,59.23) 6.43,59.25 C236.1 ; v3(62.37,55.66) 62.36,55.66 61.52,56.5 58.32,56.5 54.76,60.07 51.51,60.07 50.03,61.54 38.38,61.54 35.71,58.87 27.53,58.87 v1(27.2,59.2)
GEM_GPIO0: length 4.7
  TOP w0.127: R105.2 v6(123.17,87.93) 123.17,88.41 122.6,88.98 121.39,88.98 121.28,89.09 U36.39
  BOTTOM w0.127: v6(123.17,87.93) 123.49,88.25 R117.1
GEM_GPIO1: length 4.4
  TOP w0.127: R116.1 123.8,89.27 123.78,89.29 123.78,89.69 R104.2 v6(123.17,89.71) 122.8,89.33 121.67,89.33 121.41,89.59 U36.40
GEM_LED0: length 19
  TOP w0.127: Q4.1 v5(130.23,105.18) ; U36.47 121.33,93.09 121.83,93.58 122.6,93.58 v6(123.17,94.15) R108.2
  L03_SIG w0.102: v6(123.17,94.15) 123.3,94.28 123.42,94.28 124.97,95.83 124.97,99.21 128.73,102.98 128.73,103.68 v5(130.23,105.18)
  BOTTOM w0.127: R120.1 123.51,94.15 v6(123.17,94.15)
GEM_LED0_CA: length 11.4
  TOP w0.127: J10.15 129.02,111.62 132.85,107.78 R127.2
GEM_LED1: length 18.6
  TOP w0.127: U36.46 121.47,92.59 121.54,92.52 122.43,92.52 v6(123.17,93.26) R107.2 ; Q3.1 v6(130.23,103.66)
  L03_SIG w0.102: v6(123.17,93.26) 123.28,93.26 123.29,93.25 123.89,93.25 125.48,94.85 125.48,97.13 130.23,101.88 v6(130.23,103.66)
  BOTTOM w0.127: v6(123.17,93.26) 123.51,93.26 R119.1
GEM_LED1_CA: length 17.7
  TOP w0.127: J10.17 125.97,116.7 128.93,113.73 128.91,113.72 128.91,112.96 133.74,108.13 133.74,104.7 133.3,104.26 R124.2
GEM_LED2: length 22.5
  TOP w0.127: U36.45 121.09,92.09 121.26,92.26 123.06,92.26 v6(123.17,92.38) R106.2 ; Q2.1 v6(130.23,106.72)
  L03_SIG w0.102: v6(130.23,106.72) 129.76,106.25 129.54,106.25 124.41,101.12 124.41,96.49 122.62,94.7 122.62,92.97 123.17,92.42 v6(123.17,92.38)
  BOTTOM w0.127: v6(123.17,92.38) 123.59,92.38 R118.1
GEM_LED2_CA: length 24.2
  TOP w0.127: R112.2 130.71,108.22 128.91,110.02 123.8,110.02 123.26,110.56 120.04,110.56 116.44,114.16 J10.13
GEM_NC1: length 2.6
  TOP w0.127: U36.48 121.38,93.59 122.32,94.53 v5(122.32,94.97)
GEM_NC2: length 1.4
  TOP w0.127: v5(112.39,93.89) 112.69,93.59 U36.13
GEM_TD_A_N: length 5.6
  TOP w0.094: U36.2 119.37,94.79 119.49,94.91 119.49,95.33 119.93,95.77 119.93,96 v1(119.65,96.28)
  BOTTOM w0.094: J10.10 119.82,98.66 119.93,98.55 119.93,96.56 v1(119.65,96.28)
GEM_TD_A_P: length 5.6
  TOP w0.094: v1(120.46,96.28) 120.18,96 120.18,95.66 119.75,95.23 119.75,94.91 119.87,94.79 U36.1
  BOTTOM w0.094: J10.11 120.28,98.66 120.18,98.57 120.18,96.56 v1(120.46,96.28)
GEM_TD_B_N: length 11.8
  TOP w0.094: U36.5 117.87,94.74 118.01,94.88 118.01,95.62 118.39,96 118.39,96.53 118.15,96.77 v1(118.1,96.77)
  L12_SIG w0.091: J10.5 119.76,101.2 119.17,100.61 119.17,100.26 118.67,99.76 117.78,99.76 117.37,99.35 117.37,99.13 117.46,99.04 117.79,99.04 117.88,98.95 117.88,98.77 117.79,98.67 117.46,98.67 117.37,98.58 117.37,97.83 117.24,97.7 117.24,96.77 117.73,96.28 118.25,96.28 118.36,96.39 118.36,96.52 v1(118.1,96.77)
GEM_TD_B_P: length 11.8
  TOP w0.094: U36.4 118.37,94.8 118.26,94.91 118.26,95.52 118.64,95.9 118.64,96.5 v1(118.91,96.77)
  L12_SIG w0.091: v1(118.91,96.77) 118.91,96.58 118.36,96.03 117.63,96.03 116.99,96.66 116.99,97.8 117.12,97.93 117.12,99.46 117.68,100.01 118.57,100.01 118.91,100.36 118.91,100.62 118.33,101.2 J10.4
GEM_TD_C_N: length 11.1